# KiCad board PCB0210.kicad_pcb (continued)
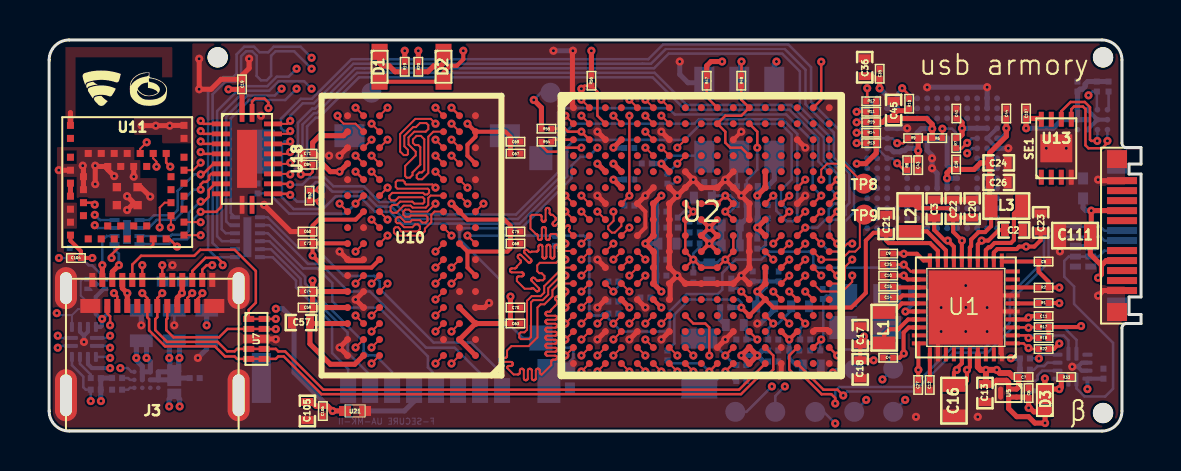
[diagram p0: board, top side]
## Routing (per net, layer and track width the routed paths; a pad name or vN(x,y) marks a point on that pad's centre or on a via; arc(x,y) is an arc through that point) (continued)
/DDR/DRAM_SDQS0_N: length 28
  TOP w0.1: v1(19.33,8.18) U10.G3 ; U2.P7 v1(30.63,5.38)
  SIGNAL_1 w0.1: 19.34,8.18 v1(19.33,8.18) ; v1(19.33,8.18) 19.23,8.18 ; v1(19.33,8.18) 19.02,8.49 18.62,8.49 18.41,8.28 18.41,8.01 18.64,7.78 19.5,7.78 19.76,7.52 19.76,7.13 19.89,7 20.28,7 20.76,7.48 20.76,8.83 21.3,9.37 21.3,9.92 21.08,10.14 20.65,10.14 20.45,10.34 19.98,10.34 19.92,10.4 19.92,10.52 20.01,10.61 21.76,10.61 22.29,11.14 22.29,11.58 22.46,11.75 25.07,11.75 25.47,11.35 25.47,10.82 25.87,10.42 28.74,10.42 28.91,10.59 29.82,10.59 30.69,9.71 30.69,9.52 31.07,9.14 31.07,7.63 31.42,7.28 31.42,6.77 31.07,6.42 31.07,5.82 v1(30.63,5.38)
/DDR/DRAM_SDQS0_P: length 28
  TOP w0.1: U2.P6 v1(29.83,5.38) ; U10.F3 v1(19.33,7.38)
  SIGNAL_1 w0.1: 18.21,8.28 18.21,7.92 18.75,7.38 v1(19.33,7.38) ; 18.21,8.28 18.21,8.56 18.16,8.61 17.89,8.61 17.83,8.55 17.83,7.96 18.84,6.95 19.49,6.95 19.64,6.8 20.47,6.8 20.96,7.29 20.96,8.75 21.52,9.31 21.52,10.04 21.41,10.15 21.41,10.32 21.5,10.41 21.85,10.41 22.49,11.05 22.49,11.41 22.63,11.55 24.98,11.55 25.27,11.26 25.27,10.74 25.79,10.22 28.47,10.22 28.87,9.82 29.17,9.82 29.58,10.23 29.9,10.23 30.49,9.63 30.49,9.43 30.87,9.06 30.87,7.55 31.22,7.2 31.22,6.86 30.9,6.54 30.4,6.54 30.27,6.41 30.27,5.82 v1(29.83,5.38) ; 18.21,8.28 18.21,8.36
/DDR/DRAM_SDQS1_N: length 28
  TOP w0.1: U2.T2 v1(26.63,3.78) ; v1(16.13,4.18) U10.B7
  SIGNAL_1 w0.1: v1(26.63,3.78) 26.63,3.48 26.69,3.42 26.97,3.42 27.03,3.48 27.03,4.05 26.88,4.2 26.38,4.2 26.23,4.05 26.23,3.49 26.06,3.32 25.73,3.32 25.27,3.78 25.27,4.42 25.01,4.68 24.34,4.68 24.32,4.68 24.3,4.69 24.28,4.7 24.26,4.72 24.25,4.74 24.24,4.76 24.24,4.78 24.24,5.43 24.24,5.45 24.23,5.47 24.22,5.49 24.2,5.51 24.18,5.52 24.16,5.53 24.14,5.53 24.12,5.53 24.1,5.52 24.08,5.51 24.06,5.49 24.05,5.47 24.04,5.45 24.04,5.43 24.04,4.43 24.04,4.41 24.03,4.39 24.02,4.37 24,4.35 23.98,4.34 23.96,4.33 23.94,4.33 23.92,4.33 23.9,4.34 23.88,4.35 23.86,4.37 23.85,4.39 23.84,4.41 23.84,4.43 23.84,4.88 23.84,4.9 23.83,4.92 23.82,4.94 23.8,4.96 23.78,4.97 23.76,4.98 23.74,4.98 23.72,4.98 23.7,4.97 23.68,4.96 23.66,4.94 23.65,4.92 23.64,4.9 23.64,4.88 23.64,4.43 23.64,4.41 23.63,4.39 23.62,4.37 23.6,4.35 23.58,4.34 23.56,4.33 23.54,4.33 23.52,4.33 23.5,4.34 23.48,4.35 23.46,4.37 23.45,4.39 23.44,4.41 23.44,4.43 23.44,4.88 23.44,4.9 23.43,4.92 23.42,4.94 23.4,4.96 23.38,4.97 23.36,4.98 23.34,4.98 23.32,4.98 23.3,4.97 23.28,4.96 23.26,4.94 23.25,4.92 23.24,4.9 23.24,4.88 23.24,4.43 23.24,4.41 23.23,4.39 23.22,4.37 23.2,4.35 23.18,4.34 23.16,4.33 23.14,4.33 23.12,4.33 23.1,4.34 23.08,4.35 23.06,4.37 23.05,4.39 23.04,4.41 23.04,4.43 23.04,4.93 23.04,4.95 23.03,4.97 23.02,4.99 23,5.01 22.98,5.02 22.96,5.03 22.94,5.03 22.92,5.03 22.9,5.02 22.88,5.01 22.86,4.99 22.85,4.97 22.84,4.95 22.84,4.93 22.84,4.43 22.84,4.41 22.83,4.39 22.82,4.37 22.8,4.35 22.78,4.34 22.76,4.33 22.74,4.33 22.72,4.33 22.7,4.34 22.68,4.35 22.66,4.37 22.65,4.39 22.64,4.41 22.64,4.43 22.64,4.58 22.64,4.6 22.63,4.62 22.62,4.64 22.6,4.66 22.58,4.67 22.56,4.68 22.54,4.68 22.24,4.68 22.19,4.63 22.18,4.62 22.16,4.61 22.13,4.61 22.11,4.61 22.09,4.61 22.07,4.62 22.05,4.63 21.91,4.77 21.9,4.79 21.88,4.8 21.85,4.8 21.83,4.8 21.81,4.8 21.79,4.79 21.77,4.77 21.76,4.76 21.75,4.74 21.74,4.71 21.74,4.69 21.75,4.67 21.76,4.65 21.77,4.63 21.98,4.42 22.05,4.35 22.07,4.33 22.07,4.31 22.08,4.29 22.08,4.27 22.07,4.25 22.07,4.23 22.05,4.21 22.03,4.2 22.01,4.19 21.99,4.18 21.97,4.18 21.95,4.19 21.93,4.2 21.89,4.22 21.87,4.23 21.85,4.24 21.83,4.24 21.81,4.23 21.79,4.22 21.77,4.21 21.28,4.21 21.26,4.21 21.24,4.22 21.22,4.23 21.2,4.25 21.19,4.27 21.18,4.29 21.18,4.31 21.18,4.56 21.18,4.58 21.17,4.6 21.16,4.62 21.14,4.64 21.12,4.65 21.1,4.66 21.08,4.66 21.06,4.66 21.04,4.65 21.02,4.64 21,4.62 20.99,4.6 20.98,4.58 20.98,4.56 20.98,4.31 20.98,4.29 20.97,4.27 20.96,4.25 20.94,4.23 20.92,4.22 20.9,4.21 20.88,4.21 20.86,4.21 20.83,4.22 20.82,4.23 20.8,4.25 20.79,4.27 20.78,4.29 20.78,4.33 20.77,4.35 20.76,4.37 20.74,4.39 20.72,4.4 20.7,4.41 20.68,4.41 20.66,4.41 20.63,4.4 20.62,4.39 20.6,4.37 20.59,4.35 20.58,4.33 20.58,4.29 20.57,4.27 20.56,4.25 20.54,4.23 20.52,4.22 20.5,4.21 20.48,4.21 18.98,4.21 18.97,4.21 18.96,4.21 18.95,4.2 18.94,4.19 18.93,4.18 18.93,4.17 18.93,4.15 18.93,4.14 18.92,4.13 18.91,4.12 18.9,4.11 18.89,4.11 18.88,4.11 18.78,4.11 18.77,4.11 18.76,4.11 18.75,4.12 18.74,4.13 18.73,4.14 18.73,4.15 18.73,4.16 18.73,4.56 18.73,4.58 18.72,4.6 18.71,4.62 18.69,4.64 18.67,4.65 18.65,4.66 18.63,4.66 18.61,4.66 18.59,4.65 18.57,4.64 18.55,4.62 18.54,4.6 18.53,4.58 18.53,4.56 18.53,4.06 18.53,4.04 18.52,4.02 18.51,4 18.49,3.98 18.47,3.97 18.45,3.96 18.43,3.96 18.41,3.96 18.39,3.97 18.37,3.98 18.35,4 18.34,4.02 18.33,4.04 18.33,4.06 18.33,4.56 18.33,4.58 18.32,4.6 18.31,4.62 18.29,4.64 18.27,4.65 18.25,4.66 18.23,4.66 18.21,4.66 18.19,4.65 18.17,4.64 18.15,4.62 18.14,4.6 18.13,4.58 18.13,4.56 18.13,4.06 18.13,4.04 18.12,4.02 18.11,4 18.09,3.98 18.07,3.97 18.05,3.96 18.03,3.96 18.01,3.96 17.99,3.97 17.97,3.98 17.95,4 17.94,4.02 17.93,4.04 17.93,4.06 17.93,4.41 17.93,4.43 17.92,4.45 17.91,4.47 17.89,4.49 17.87,4.5 17.85,4.51 17.83,4.51 17.81,4.51 17.79,4.5 17.77,4.49 17.75,4.47 17.74,4.45 17.73,4.43 17.73,4.41 17.73,4.06 17.73,4.04 17.72,4.02 17.71,4 17.69,3.98 17.67,3.97 17.65,3.96 17.63,3.96 17.61,3.96 17.59,3.97 17.57,3.98 17.55,4 17.54,4.02 17.53,4.04 17.53,4.06 17.53,4.41 17.53,4.43 17.52,4.45 17.51,4.47 17.49,4.49 17.47,4.5 17.45,4.51 17.43,4.51 17.41,4.51 17.39,4.5 17.37,4.49 17.35,4.47 17.34,4.45 17.33,4.43 17.33,4.41 17.33,4.06 17.33,4.04 17.32,4.02 17.31,4 17.29,3.98 17.27,3.97 17.25,3.96 17.23,3.96 17.21,3.96 17.19,3.97 17.17,3.98 17.15,4 17.14,4.02 17.13,4.04 17.13,4.06 17.13,4.41 17.13,4.43 17.12,4.45 17.11,4.47 17.09,4.49 17.07,4.5 17.05,4.51 17.03,4.51 17.01,4.51 16.99,4.5 16.97,4.49 16.95,4.47 16.94,4.45 16.93,4.43 16.93,4.41 16.93,4.06 16.93,4.04 16.92,4.02 16.91,4 16.89,3.98 16.87,3.97 16.85,3.96 16.83,3.96 16.81,3.96 16.79,3.97 16.77,3.98 16.75,4 16.74,4.02 16.73,4.04 16.73,4.06 16.73,4.11 16.73,4.13 16.72,4.15 16.71,4.17 16.69,4.19 16.67,4.2 16.65,4.21 16.63,4.21 16.16,4.21 v1(16.13,4.18)
/DDR/DRAM_SDQS1_P: length 28
  TOP w0.1: v1(25.83,3.78) U2.T1 ; U10.C7 v1(16.13,4.98)
  SIGNAL_1 w0.1: v1(25.83,3.78) 25.47,4.14 25.47,5.53 25.72,5.78 26.1,5.78 26.23,5.91 26.23,6.43 26.08,6.58 25.72,6.58 25.52,6.78 25.22,6.78 25.08,6.64 25.08,6.08 24.73,5.73 24.17,5.73 24.15,5.73 24.12,5.74 24.09,5.76 24.08,5.78 24.06,5.8 24.05,5.83 24.05,5.86 24.05,6.09 24.04,6.12 24.04,6.15 24.02,6.17 24,6.19 23.98,6.2 23.95,6.21 23.92,6.22 23.9,6.21 23.87,6.2 23.84,6.19 23.83,6.17 23.81,6.15 23.8,6.12 23.8,6.09 23.8,5.32 23.79,5.29 23.79,5.26 23.77,5.24 23.75,5.22 23.73,5.21 23.7,5.2 23.67,5.19 23.65,5.2 23.62,5.21 23.59,5.22 23.58,5.24 23.56,5.26 23.55,5.29 23.55,5.32 23.55,6.09 23.54,6.12 23.54,6.15 23.52,6.17 23.5,6.19 23.48,6.2 23.45,6.21 23.42,6.22 23.4,6.21 23.37,6.2 23.34,6.19 23.33,6.17 23.31,6.15 23.3,6.12 23.3,6.09 23.3,5.32 23.29,5.29 23.29,5.26 23.27,5.24 23.25,5.22 23.23,5.21 23.2,5.2 23.17,5.19 23.15,5.2 23.12,5.21 23.09,5.22 23.08,5.24 23.06,5.26 23.05,5.29 23.05,5.32 23.05,6.14 23.04,6.17 23.04,6.2 23.02,6.22 23,6.24 22.98,6.25 22.95,6.26 22.92,6.27 22.9,6.26 22.87,6.25 22.84,6.24 22.83,6.22 22.81,6.2 22.8,6.17 22.8,6.14 22.8,5.32 22.79,5.29 22.79,5.26 22.77,5.24 22.75,5.22 22.73,5.21 22.7,5.2 22.67,5.19 22.65,5.2 22.62,5.21 22.59,5.22 22.58,5.24 22.56,5.26 22.55,5.29 22.55,5.32 22.55,6.14 22.54,6.17 22.54,6.2 22.52,6.22 22.5,6.24 22.48,6.25 22.45,6.26 22.42,6.27 22.4,6.26 22.37,6.25 22.34,6.24 22.33,6.22 22.31,6.2 22.3,6.17 22.3,6.14 22.3,5.32 22.29,5.29 22.29,5.26 22.27,5.24 22.25,5.22 22.23,5.21 22.2,5.2 22.17,5.19 22.15,5.2 22.12,5.21 22.09,5.22 22.08,5.24 22.06,5.26 22.05,5.29 22.05,5.32 22.05,5.61 22.04,5.63 22.04,5.66 22.02,5.68 22,5.7 21.98,5.72 21.95,5.73 21.92,5.73 21.67,5.73 21.58,5.64 21.56,5.62 21.54,5.61 21.51,5.6 21.48,5.6 21.45,5.61 21.43,5.62 21.41,5.64 21.31,5.74 21.29,5.75 21.26,5.77 21.23,5.77 21.21,5.77 21.18,5.77 21.15,5.75 21.13,5.74 21.11,5.71 21.1,5.69 21.1,5.66 21.1,5.63 21.1,5.61 21.11,5.58 21.13,5.56 21.61,5.08 21.63,5.06 21.64,5.04 21.64,5.01 21.64,4.98 21.64,4.95 21.63,4.93 21.61,4.91 21.59,4.89 21.56,4.88 21.53,4.87 21.51,4.87 21.48,4.88 21.45,4.89 21.43,4.91 20.96,5.38 20.93,5.4 20.91,5.41 20.88,5.42 20.85,5.42 20.83,5.41 20.8,5.4 20.78,5.38 20.76,5.36 20.75,5.34 20.74,5.31 20.74,5.28 20.75,5.25 20.76,5.23 20.78,5.21 21,4.99 21.01,4.98 21.01,4.97 21.01,4.96 21.01,4.94 21.01,4.93 21.01,4.92 21,4.91 20.89,4.81 20.88,4.8 20.87,4.8 20.86,4.79 20.85,4.79 20.84,4.8 20.83,4.8 20.81,4.82 20.8,4.82 20.79,4.82 20.78,4.82 20.77,4.82 20.76,4.82 20.75,4.81 20.36,4.42 19.22,4.42 18.76,4.88 18.4,4.88 18.37,4.88 18.35,4.89 18.32,4.91 18.3,4.93 18.29,4.95 18.28,4.98 18.28,5 18.28,5.04 18.27,5.07 18.26,5.1 18.25,5.12 18.23,5.14 18.2,5.15 18.18,5.16 18.15,5.17 18.12,5.16 18.1,5.15 18.07,5.14 18.05,5.12 18.04,5.1 18.03,5.07 18.03,5.04 18.03,4.81 18.02,4.8 18.02,4.78 18.01,4.77 18,4.76 17.99,4.75 17.97,4.74 17.96,4.74 17.84,4.74 17.83,4.74 17.81,4.75 17.8,4.76 17.79,4.77 17.78,4.78 17.78,4.8 17.78,4.81 17.78,5.04 17.77,5.07 17.76,5.1 17.75,5.12 17.73,5.14 17.7,5.15 17.68,5.16 17.65,5.17 17.62,5.16 17.6,5.15 17.57,5.14 17.55,5.12 17.54,5.1 17.53,5.07 17.53,5.04 17.53,4.81 17.52,4.8 17.52,4.78 17.51,4.77 17.5,4.76 17.49,4.75 17.47,4.74 17.46,4.74 17.34,4.74 17.33,4.74 17.31,4.75 17.3,4.76 17.29,4.77 17.28,4.78 17.28,4.8 17.28,4.81 17.28,5.04 17.27,5.07 17.26,5.1 17.25,5.12 17.23,5.14 17.2,5.15 17.18,5.16 17.15,5.17 17.12,5.16 17.1,5.15 17.07,5.14 17.05,5.12 17.04,5.1 17.03,5.07 17.03,5.04 17.03,4.88 17.02,4.88 17.02,4.81 17.02,4.8 17.01,4.78 17,4.77 16.99,4.76 16.98,4.75 16.97,4.74 16.95,4.74 16.84,4.74 16.82,4.74 16.81,4.75 16.79,4.76 16.78,4.77 16.78,4.78 16.77,4.8 16.77,4.83 16.76,4.84 16.75,4.85 16.74,4.87 16.73,4.87 16.72,4.88 16.7,4.88 16.23,4.88 v1(16.13,4.98)
/DDR/DRAM_WE_B: length 34
  TOP w0.1: v1(19.33,12.18) 19.17,12.34 17.85,12.34 17.79,12.4 17.79,12.46 17.71,12.54 17.42,12.54 17.34,12.46 17.34,12.21 17.42,12.13 18.94,12.13 19.01,12.06 19.01,11.93 18.92,11.84 18.79,11.84 18.71,11.92 17.17,11.92 17.02,11.77 17.02,11.64 17.12,11.54 17.33,11.54 17.49,11.7 18.69,11.7 18.77,11.62 18.77,11.45 18.7,11.38 18.27,11.38 18.17,11.48 17.56,11.48 17.39,11.31 17.17,11.31 17.08,11.22 17.08,11.02 17.18,10.92 17.38,10.92 17.74,11.28 18.08,11.28 18.18,11.18 18.84,11.18 18.97,11.31 18.97,11.67 19.08,11.78 U10.L3 ; U2.J1 26.03,9.98 26.02,10 26.01,10.02 26,10.04 26,10.06 26.01,10.08 26.02,10.1 26.04,10.14 26.05,10.16 26.06,10.18 26.06,10.2 26.05,10.23 26.04,10.25 26.03,10.26 26.01,10.28 25.99,10.29 25.97,10.29 25.95,10.29 25.93,10.29 25.91,10.28 25.89,10.26 25.64,10.02 25.62,10 25.6,9.99 25.58,9.99 25.56,9.99 25.54,9.99 25.52,10 25.5,10.02 25.49,10.03 25.48,10.05 25.47,10.07 25.47,10.1 25.48,10.12 25.49,10.14 25.5,10.16 25.78,10.44 25.8,10.46 25.81,10.48 25.81,10.5 25.81,10.52 25.81,10.54 25.8,10.56 25.78,10.58 25.77,10.6 25.74,10.6 25.72,10.61 25.7,10.61 25.68,10.6 25.66,10.6 25.64,10.58 25.36,10.3 25.34,10.28 25.32,10.27 25.3,10.27 25.28,10.27 25.25,10.27 25.23,10.28 25.22,10.3 25.2,10.32 25.19,10.34 25.19,10.36 25.19,10.38 25.19,10.4 25.2,10.42 25.22,10.44 25.32,10.55 25.34,10.56 25.35,10.58 25.35,10.61 25.35,10.63 25.35,10.65 25.34,10.67 25.32,10.69 25.19,10.82 25.14,10.82 25.12,10.82 25.1,10.83 25.08,10.84 25.06,10.86 25.05,10.88 25.04,10.9 25.04,10.92 25.04,11.07 25.04,11.09 25.03,11.11 25.02,11.13 25,11.15 24.98,11.16 24.96,11.17 24.94,11.17 24.92,11.17 24.9,11.16 24.88,11.15 24.86,11.13 24.85,11.11 24.84,11.09 24.84,11.07 24.84,10.57 24.84,10.55 24.83,10.53 24.82,10.51 24.8,10.49 24.78,10.48 24.76,10.47 24.74,10.47 24.72,10.47 24.7,10.48 24.68,10.49 24.66,10.51 24.65,10.53 24.64,10.55 24.64,10.57 24.64,10.72 24.64,10.74 24.63,10.76 24.62,10.78 24.6,10.8 24.58,10.81 24.56,10.82 24.54,10.82 24.15,10.82 24.08,10.75 24.08,10.13 24.35,9.86 24.37,9.86 24.39,9.85 24.41,9.84 24.43,9.82 24.44,9.8 24.45,9.78 24.45,9.76 24.45,9.66 24.45,9.64 24.46,9.62 24.47,9.6 24.49,9.58 24.51,9.57 24.53,9.56 24.55,9.56 24.57,9.56 24.59,9.57 24.61,9.58 24.63,9.6 24.64,9.62 24.65,9.64 24.65,9.66 24.65,10.11 24.65,10.13 24.66,10.15 24.67,10.17 24.69,10.19 24.71,10.2 24.73,10.21 24.75,10.21 24.77,10.21 24.79,10.2 24.81,10.19 24.83,10.17 24.84,10.15 24.85,10.13 24.85,10.11 24.85,9.66 24.85,9.64 24.86,9.62 24.87,9.6 24.89,9.58 24.91,9.57 24.93,9.56 24.95,9.56 24.97,9.56 24.99,9.57 25.01,9.58 25.03,9.6 25.04,9.62 25.05,9.64 25.05,9.66 25.05,9.76 25.05,9.78 25.06,9.8 25.07,9.82 25.09,9.84 25.11,9.85 25.13,9.86 25.15,9.86 25.35,9.86 v1(25.83,9.38)
  SIGNAL_2 w0.1: 19.43,12.18 v1(19.33,12.18) 19.33,12.48 19.69,12.84 19.69,13.08 19.79,13.18 21.3,13.18 21.49,12.99 22.3,12.99 23.44,11.85 23.44,10.84 23.52,10.76 23.61,10.76 23.79,10.58 23.79,10.35 23.88,10.26 24.11,10.26 25.22,9.15 25.22,8.99 25.28,8.93 25.4,8.93 25.83,9.36 v1(25.83,9.38)
/DDR/DRAM_ZQPAD: length 1.2
  TOP w0.254: U2.N4 v1(29.03,6.18)
  BOTTOM w0.127: R51.1 28.73,6.48 v1(29.03,6.18)
/eMMC/SD2_CLK: length 21.2
  SIGNAL_1 w0.127: v1(45.93,13.9) 45.57,13.9 43.85,12.18 43.54,12.18 43.52,12.18 43.5,12.19 43.48,12.2 43.46,12.22 43.45,12.24 43.44,12.26 43.44,12.3 43.43,12.32 43.42,12.34 43.4,12.36 43.38,12.37 43.36,12.38 43.34,12.38 43.29,12.38 43.26,12.38 43.24,12.37 43.22,12.36 43.21,12.34 43.2,12.32 43.19,12.3 43.19,12.28 43.19,12.08 43.18,12.06 43.18,12.04 43.16,12.02 43.15,12 43.13,11.99 43.11,11.98 43.09,11.98 43.03,11.98 43.01,11.98 42.99,11.99 42.97,12 42.95,12.02 42.94,12.04 42.93,12.06 42.93,12.08 42.93,12.28 42.93,12.3 42.92,12.32 42.91,12.34 42.89,12.36 42.88,12.37 42.85,12.38 42.83,12.38 42.78,12.38 42.76,12.38 42.73,12.37 42.72,12.36 42.7,12.34 42.69,12.32 42.68,12.3 42.68,12.28 42.68,12.08 42.68,12.06 42.67,12.04 42.66,12.02 42.64,12 42.62,11.99 42.6,11.98 42.58,11.98 42.52,11.98 42.5,11.98 42.48,11.99 42.46,12 42.45,12.02 42.43,12.04 42.43,12.06 42.42,12.08 42.42,12.28 42.42,12.3 42.41,12.32 42.4,12.34 42.39,12.36 42.37,12.37 42.35,12.38 42.32,12.38 42.27,12.38 42.25,12.38 42.23,12.37 42.21,12.36 42.19,12.34 42.18,12.32 42.17,12.3 42.17,12.28 42.17,12.08 42.17,12.06 42.16,12.04 42.15,12.02 42.13,12 42.11,11.99 42.09,11.98 42.07,11.98 42.02,11.98 41.99,11.98 41.97,11.99 41.95,12 41.94,12.02 41.93,12.04 41.92,12.06 41.92,12.08 41.92,12.28 41.91,12.3 41.91,12.32 41.89,12.34 41.88,12.36 41.86,12.37 41.84,12.38 41.82,12.38 41.76,12.38 41.74,12.38 41.72,12.37 41.7,12.36 41.68,12.34 41.67,12.32 41.66,12.3 41.66,12.28 41.66,12.08 41.66,12.06 41.65,12.04 41.64,12.02 41.62,12 41.61,11.99 41.58,11.98 41.56,11.98 41.51,11.98 41.49,11.98 41.46,11.99 41.45,12 41.43,12.02 41.42,12.04 41.41,12.06 41.41,12.08 41.41,12.28 41.41,12.3 41.4,12.32 41.39,12.34 41.37,12.36 41.35,12.37 41.33,12.38 41.31,12.38 41.25,12.38 41.23,12.38 41.21,12.37 41.19,12.36 41.18,12.34 41.16,12.32 41.16,12.3 41.15,12.28 41.15,12.08 41.15,12.06 41.14,12.04 41.13,12.02 41.12,12 41.1,11.99 41.08,11.98 41.05,11.98 41,11.98 40.98,11.98 40.96,11.99 40.94,12 40.92,12.02 40.91,12.04 40.9,12.06 40.9,12.08 40.9,12.28 40.9,12.3 40.89,12.32 40.88,12.34 40.86,12.36 40.84,12.37 40.82,12.38 40.8,12.38 40.75,12.38 40.72,12.38 40.7,12.37 40.68,12.36 40.67,12.34 40.66,12.32 40.65,12.3 40.64,12.26 40.64,12.24 40.62,12.22 40.61,12.2 40.59,12.19 40.57,12.18 40.55,12.18 40.23,12.18 39.83,12.58 39.83,12.88 39.56,13.15 37.8,13.15 36.83,12.18 33.44,12.18 32.65,12.97 31.83,12.97 v1(31.43,12.58)
  BOTTOM w0.127: v1(45.93,13.9) 46.18,14.15 U3.M6 ; v1(31.43,12.58) 31.23,12.38 R16.1
/eMMC/SD2_CLK_R: length 1.3
  TOP w0.1: U2.D8 v1(31.43,13.38)
  BOTTOM w0.127: v1(31.43,13.38) R16.2
/eMMC/SD2_CMD: length 21.1
  TOP w0.1: U2.C8 v1(31.43,14.18)
  TOP w0.127: v1(45.93,14.42) 45.66,14.16 R7.2
  SIGNAL_1 w0.127: v1(31.43,14.18) 32.24,13.37 32.91,13.37 33.3,12.98 34.91,12.98 34.92,12.98 34.94,12.99 34.95,12.99 34.96,13.01 34.97,13.02 34.97,13.03 34.98,13.06 34.98,13.08 34.99,13.09 35,13.1 35.01,13.11 35.03,13.11 35.04,13.11 35.16,13.11 35.18,13.11 35.19,13.11 35.21,13.1 35.22,13.09 35.22,13.08 35.23,13.06 35.23,13.05 35.23,12.98 35.24,12.98 35.24,12.77 35.24,12.75 35.25,12.72 35.27,12.69 35.29,12.67 35.31,12.66 35.34,12.65 35.37,12.65 35.39,12.65 35.42,12.66 35.45,12.67 35.47,12.69 35.48,12.72 35.49,12.75 35.49,12.77 35.49,12.85 35.5,12.88 35.51,12.91 35.52,12.93 35.54,12.95 35.56,12.97 35.59,12.98 35.62,12.98 35.65,12.98 35.68,12.97 35.7,12.95 35.72,12.93 35.73,12.91 35.74,12.88 35.75,12.85 35.75,12.77 35.75,12.75 35.76,12.72 35.77,12.69 35.79,12.67 35.82,12.66 35.85,12.65 35.87,12.65 35.9,12.65 35.93,12.66 35.95,12.67 35.97,12.69 35.99,12.72 36,12.75 36,12.77 36,13.19 36,13.21 36.01,13.24 36.03,13.27 36.05,13.29 36.07,13.3 36.1,13.31 36.13,13.31 36.16,13.31 36.18,13.3 36.21,13.29 36.23,13.27 36.24,13.24 36.25,13.21 36.25,13.19 36.25,12.77 36.26,12.75 36.27,12.72 36.28,12.69 36.3,12.67 36.33,12.66 36.35,12.65 36.38,12.65 36.41,12.65 36.44,12.66 36.46,12.67 36.48,12.69 36.5,12.72 36.51,12.75 36.51,12.77 36.51,13.19 36.51,13.21 36.52,13.24 36.54,13.27 36.56,13.29 36.58,13.3 36.61,13.31 36.64,13.31 36.66,13.31 36.69,13.3 36.72,13.29 36.74,13.27 36.75,13.24 36.76,13.21 36.76,13.19 36.76,12.77 36.77,12.75 36.78,12.72 36.79,12.69 36.81,12.67 36.83,12.66 36.86,12.65 36.89,12.65 36.92,12.65 36.95,12.66 36.97,12.67 36.99,12.69 37,12.72 37.01,12.75 37.02,12.77 37.02,12.85 37.02,12.88 37.03,12.91 37.04,12.93 37.06,12.95 37.09,12.97 37.12,12.98 37.14,12.98 37.54,13.38 39.83,13.38 40.23,12.98 42.99,12.98 44.43,14.42 v1(45.93,14.42)
  BOTTOM w0.127: v1(45.93,14.42) 46.16,14.65 U3.M5
/eMMC/SD2_DATA0: length 20.6
  TOP w0.1: U2.D7 v1(30.63,14.18)
  TOP w0.127: R15.2 40.41,15.45 v1(40.4,15.45)
  SIGNAL_1 w0.127: v1(40.4,15.45) 40.2,15.45 40,15.25 40,14.8 39.79,14.59 39.39,14.59 39.36,14.59 39.34,14.6 39.31,14.62 39.29,14.64 39.28,14.66 39.27,14.69 39.27,14.72 39.27,14.86 39.26,14.89 39.25,14.92 39.24,14.94 39.22,14.96 39.19,14.98 39.17,14.99 39.14,14.99 39.11,14.99 39.08,14.98 39.06,14.96 39.04,14.94 39.02,14.92 39.01,14.89 39.01,14.86 39.01,14.32 39.01,14.29 39,14.26 38.98,14.24 38.96,14.22 38.94,14.2 38.91,14.19 38.88,14.19 38.86,14.19 38.83,14.2 38.8,14.22 38.78,14.24 38.77,14.26 38.76,14.29 38.76,14.32 38.76,14.46 38.75,14.49 38.74,14.52 38.73,14.54 38.71,14.56 38.69,14.58 38.66,14.59 38.63,14.59 37.56,14.59 37.53,14.59 37.51,14.58 37.48,14.56 37.46,14.54 37.45,14.52 37.44,14.49 37.44,14.46 37.44,14.32 37.43,14.29 37.42,14.26 37.41,14.24 37.39,14.22 37.36,14.2 37.34,14.19 37.31,14.19 37.28,14.19 37.25,14.2 37.23,14.22 37.21,14.24 37.19,14.26 37.19,14.29 37.18,14.32 37.18,14.86 37.18,14.89 37.17,14.92 37.15,14.94 37.13,14.96 37.11,14.98 37.08,14.99 37.06,14.99 37.03,14.99 37,14.98 36.98,14.96 36.96,14.94 36.94,14.92 36.93,14.89 36.93,14.86 36.93,14.32 36.92,14.29 36.92,14.26 36.9,14.24 36.88,14.22 36.86,14.2 36.83,14.19 36.8,14.19 36.77,14.19 36.75,14.2 36.72,14.22 36.7,14.24 36.69,14.26 36.68,14.29 36.67,14.32 36.67,14.86 36.67,14.89 36.66,14.92 36.65,14.94 36.63,14.96 36.6,14.98 36.58,14.99 36.55,14.99 36.52,14.99 36.49,14.98 36.47,14.96 36.45,14.94 36.43,14.92 36.42,14.89 36.42,14.86 36.42,14.32 36.42,14.29 36.41,14.26 36.39,14.24 36.37,14.22 36.35,14.2 36.32,14.19 36.29,14.19 36.26,14.19 36.24,14.2 36.21,14.22 36.19,14.24 36.18,14.26 36.17,14.29 36.17,14.32 36.17,14.86 36.16,14.89 36.15,14.92 36.14,14.94 36.12,14.96 36.09,14.98 36.07,14.99 36.04,14.99 36.01,14.99 35.98,14.98 35.96,14.96 35.94,14.94 35.92,14.92 35.92,14.89 35.91,14.86 35.91,14.54 35.91,14.53 35.91,14.52 35.9,14.51 35.89,14.5 35.88,14.49 35.87,14.49 35.86,14.49 35.71,14.49 35.7,14.49 35.69,14.49 35.68,14.5 35.67,14.51 35.66,14.52 35.66,14.53 35.66,14.55 35.65,14.56 35.65,14.57 35.64,14.58 35.63,14.59 35.62,14.59 35.61,14.59 35.21,14.59 35.18,14.59 35.15,14.58 35.13,14.56 35.11,14.54 35.09,14.52 35.08,14.49 35.08,14.46 35.08,14.32 35.08,14.29 35.07,14.26 35.05,14.24 35.03,14.22 35.01,14.2 34.98,14.19 34.95,14.19 34.93,14.19 34.9,14.2 34.87,14.22 34.85,14.24 34.84,14.26 34.83,14.29 34.83,14.32 34.83,14.46 34.82,14.49 34.81,14.52 34.8,14.54 34.78,14.56 34.76,14.58 34.73,14.59 34.7,14.59 34.67,14.59 34.64,14.58 34.62,14.56 34.6,14.54 34.59,14.52 34.58,14.49 34.57,14.46 34.57,14.32 34.57,14.29 34.56,14.26 34.55,14.24 34.53,14.22 34.5,14.2 34.47,14.19 34.45,14.19 34.42,14.19 34.39,14.2 34.37,14.22 34.35,14.24 34.33,14.26 34.32,14.29 34.32,14.32 34.32,14.72 34.32,14.74 34.31,14.77 34.29,14.79 34.27,14.81 34.25,14.83 34.22,14.84 34.19,14.84 34.19,14.84 34.16,14.84 34.14,14.83 34.11,14.81 34.09,14.79 34.08,14.77 34.07,14.74 34.06,14.69 34.05,14.66 34.04,14.64 34.02,14.62 33.99,14.6 33.97,14.59 33.94,14.59 33.91,14.59 33.88,14.6 33.86,14.62 33.84,14.64 33.83,14.66 33.82,14.69 33.81,14.72 33.81,14.86 33.81,14.89 33.8,14.92 33.79,14.94 33.77,14.96 33.74,14.98 33.71,14.99 33.69,14.99 33.66,14.99 33.63,14.98 33.61,14.96 33.59,14.94 33.57,14.92 33.56,14.89 33.56,14.86 33.56,14.52 33.56,14.5 33.55,14.48 33.54,14.47 33.53,14.46 33.52,14.45 33.5,14.44 33.48,14.44 33.38,14.44 33.36,14.44 33.35,14.45 33.33,14.46 33.32,14.47 33.31,14.48 33.31,14.5 33.3,14.53 33.3,14.55 33.29,14.56 33.28,14.57 33.26,14.58 33.25,14.59 33.23,14.59 32.4,14.59 32.1,14.89 31.06,14.89 30.63,14.45 v1(30.63,14.18) 30.7,14.18
  BOTTOM w0.127: v1(40.4,15.45) 40.6,15.65 U3.A3
